# Altium PCB Sayma_AMC_RFSoC.PcbDoc (part 9 of 11)
Units mm, origin at the board's own origin, x right, y up, seen from the top; angles counter-clockwise.
Board outline 180.55 x 148.45 mm, 18 copper layers (Layer 1, Layer 2, Layer 3, Layer 4, Layer 5, Layer 6, Layer 7, Layer 8, Layer 9, Layer 10, Layer 11, Layer 12, Layer 13, Layer 14, Layer 15, Layer 16, Layer 17, Layer 18), stack 4.915 mm thick; 790 components, 796 nets, 6854 pads, 16 vias.
Unrouted connection lines stored in the file: 2880.
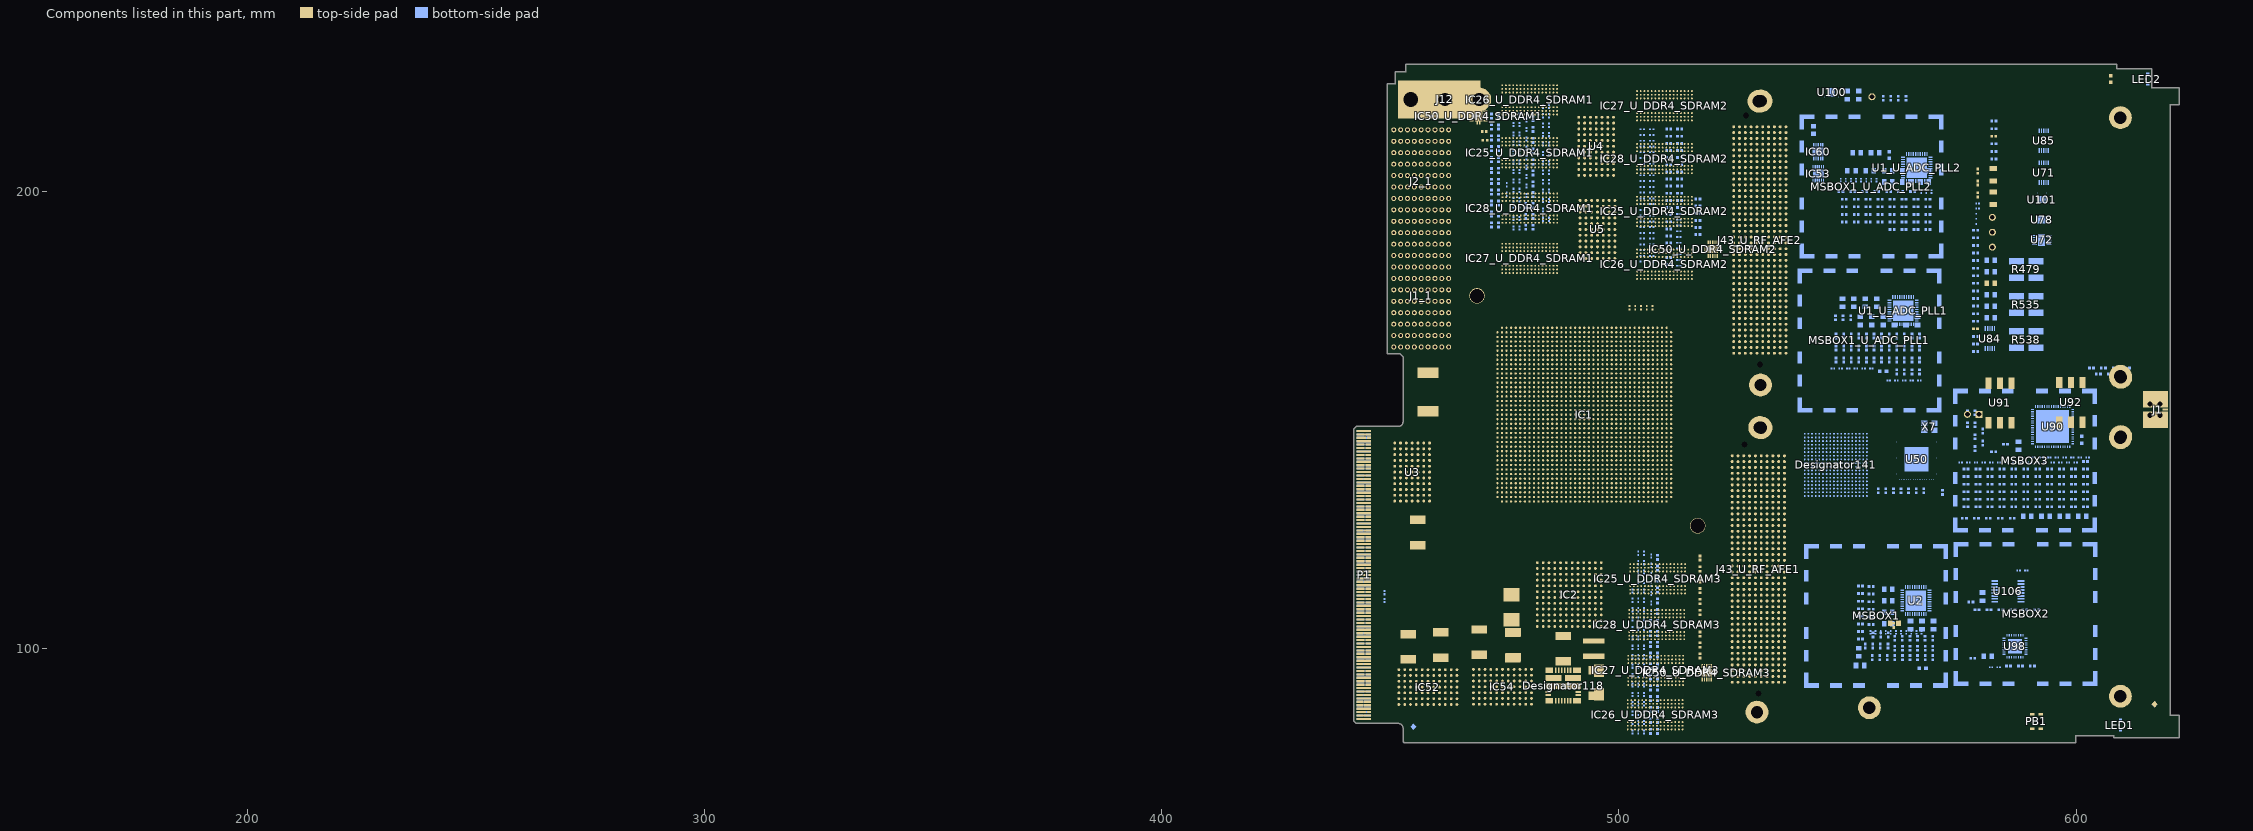
[diagram p20: the components of this part, seen from the top]

## Silkscreen, mask and mechanical layers (free items; w line width, h text height) (continued)
Drill Drawing: (continued)
  text "A" at 282.008,179.948 h2.03
  text "C" at 468.315,179.926 h0.2 r180
  text "A" at 285.273,179.906 h2.03
  text "C" at 329.008,179.875 h0.2
  text "C" at 507.457,179.887 h0.2
  text "A" at 286.785,179.81 h2.03
  text "H" at 293.437,179.806 h1
  text "H" at 295.977,179.806 h1
  text "A" at 274.226,179.749 h2.03
  text "C" at 506.172,179.694 h0.2
  text "D" at 247.272,179.662 h0.3
  text "D" at 313.729,179.568 h0.3
  text "C" at 267.97,179.36 h0.2
  text "D" at 308.494,179.299 h0.3
  text "C" at 281.93,179.271 h0.2
  text "A" at 289.208,179.27 h2.03
  text "D" at 302.167,179.278 h0.3
  text "D" at 303.428,179.267 h0.3
  text "D" at 309.744,179.278 h0.3
  text "A" at 277.144,179.242 h2.03
  text "D" at 311.066,179.238 h0.3
  text "D" at 312.307,179.257 h0.3
  text "A" at 274.226,179.216 h2.03
  text "C" at 580.253,179.22 h0.2 r90
  text "A" at 282.808,179.177 h2.03
  text "A" at 279.453,179.142 h2.03
  text "A" at 280.408,179.148 h2.03
  text "A" at 283.494,179.148 h2.03
  text "A" at 284.354,179.148 h2.03
  text "A" at 286.008,179.148 h2.03
  text "C" at 549.585,179.14 h0.2
  text "C" at 551.773,179.14 h0.2
  text "A" at 278.739,179.106 h2.03
  text "A" at 286.724,179.097 h2.03
  text "A" at 274.86,179.044 h2.03
  text "C" at 515.566,179.013 h0.2
  text "A" at 275.607,178.987 h2.03
  text "E" at 332.507,178.901 h0.6
  text "E" at 334.007,178.901 h0.6
  text "E" at 335.507,178.901 h0.6
  text "E" at 337.007,178.901 h0.6
  text "E" at 338.507,178.901 h0.6
  text "E" at 340.007,178.901 h0.6
  text "E" at 341.507,178.901 h0.6
  text "E" at 343.007,178.901 h0.6
  text "E" at 344.507,178.901 h0.6
  text "C" at 296.517,178.796 h0.2
  text "C" at 549.204,178.672 h0.2
  text "C" at 294.058,178.641 h0.2
  text "B" at 265.158,178.539 h2.03
  text "C" at 288.43,178.507 h0.2
  text "C" at 291.6,178.505 h0.2
  text "A" at 289.306,178.462 h2.03
  text "A" at 289.962,178.471 h2.03
  text "A" at 288.333,178.435 h2.03
  text "C" at 284.365,178.42 h0.2
  text "A" at 287.525,178.419 h2.03
  text "A" at 275.695,178.396 h2.03
  text "A" at 276.417,178.348 h2.03
  text "A" at 279.608,178.348 h2.03
  text "A" at 281.208,178.348 h2.03
  text "A" at 283.608,178.348 h2.03
  text "A" at 284.396,178.366 h2.03
  text "A" at 285.208,178.348 h2.03
  text "A" at 286.008,178.348 h2.03
  text "A" at 286.808,178.348 h2.03
  text "C" at 305.962,178.367 h0.2
  text "A" at 280.434,178.322 h2.03
  text "A" at 277.091,178.304 h2.03
  text "A" at 278.075,178.284 h2.03
  text "C" at 563.071,178.148 h0.2
  text "D" at 562.72,178.132 h0.3
  text "D" at 563.72,178.132 h0.3
  text "D" at 564.72,178.132 h0.3
  text "D" at 565.72,178.132 h0.3
  text "D" at 566.72,178.132 h0.3
  text "C" at 558.097,178.114 h0.2
  text "A" at 274.674,178.045 h2.03
  text "C" at 304.725,178.063 h0.2
  text "C" at 549.229,178.001 h0.2
  text "C" at 552.129,177.978 h0.2
  text "D" at 302.167,177.963 h0.3
  text "C" at 555.598,177.934 h0.2
  text "A" at 289.955,177.866 h2.03
  text "C" at 559.088,177.842 h0.2
  text "Slot 10.6x1.6" at 334.657,177.826 h1.27 r90
  text "B" at 234.314,177.777 h2.03
  text "C" at 286.023,177.734 h0.2
  text "C" at 283.651,177.706 h0.2
  text "C" at 562.991,177.662 h0.2
  text "F" at 582.931,177.669 h1 r90
  text "C" at 317.714,177.593 h0.2
  text "D" at 566.188,177.593 h0.3
  text "D" at 567.324,177.599 h0.3
  text "A" at 287.628,177.568 h2.03
  text "A" at 229.836,177.558 h2.03
  text "A" at 274.591,177.535 h2.03
  text "A" at 277.354,177.537 h2.03
  text "A" at 278.06,177.544 h2.03
  text "A" at 280.408,177.548 h2.03
  text "A" at 281.208,177.548 h2.03
  text "A" at 282.8,177.548 h2.03
  text "A" at 283.608,177.54 h2.03
  text "A" at 285.302,177.54 h2.03
  text "A" at 286.008,177.54 h2.03
  text "A" at 275.694,177.474 h2.03
  text "A" at 276.4,177.464 h2.03
  text "A" at 278.789,177.472 h2.03
  text "A" at 286.808,177.464 h2.03
  text "C" at 269.082,177.267 h0.2
  text "H" at 293.437,177.266 h1
  text "H" at 295.977,177.266 h1
  text "A" at 289.955,177.153 h2.03
  text "C" at 268.216,177.098 h0.2
  text "C" at 269.843,177.016 h0.2
  text "A" at 565.182,177.006 h2.03
  text "C" at 552.84,176.963 h0.2
  text "C" at 550.642,176.947 h0.2
  text "C" at 317.842,176.902 h0.2
  text "C" at 559.055,176.909 h0.2
  text "C" at 556.718,176.895 h0.2
  text "A" at 277.247,176.845 h2.03
  text "C" at 285.16,176.824 h0.2
  text "A" at 277.981,176.778 h2.03
  text "A" at 280.378,176.795 h2.03
  text "A" at 281.208,176.793 h2.03
  text "A" at 286.838,176.778 h2.03
  text "C" at 307.211,176.787 h0.2
  text "A" at 279.608,176.748 h2.03
  text "A" at 282.008,176.748 h2.03
  text "A" at 282.808,176.748 h2.03
  text "A" at 284.512,176.748 h2.03
  text "A" at 285.213,176.748 h2.03
  text "A" at 287.608,176.748 h2.03
  text "C" at 291.71,176.77 h0.2
  text "C" at 303.722,176.763 h0.2
  text "C" at 304.666,176.745 h0.2
  text "D" at 319.992,176.711 h0.3
  text "A" at 288.409,176.684 h2.03
  text "M" at 262.603,176.652 h2.55
  text "C" at 269.523,176.567 h0.2
  text "E" at 332.507,176.401 h0.6
  text "E" at 334.007,176.401 h0.6
  text "E" at 335.507,176.401 h0.6
  text "E" at 337.007,176.401 h0.6
  text "E" at 338.507,176.401 h0.6
  text "E" at 340.007,176.401 h0.6
  text "E" at 341.507,176.401 h0.6
  text "E" at 343.007,176.401 h0.6
  text "E" at 344.507,176.401 h0.6
  text "A" at 289.951,176.348 h2.03
  text "C" at 308.494,176.337 h0.2
  text "C" at 289.342,176.274 h0.2
  text "D" at 294.916,176.223 h0.3
  text "C" at 556.69,176.236 h0.2
  text "A" at 233.243,176.148 h2.03
  text "A" at 274.758,176.159 h2.03
  text "A" at 277.191,176.108 h2.03
  text "C" at 559.092,176.11 h0.2
  text "C" at 269.693,176.075 h0.2
  text "C" at 282.03,176.085 h0.2
  text "A" at 286.808,176.074 h2.03
  text "C" at 307.26,176.081 h0.2
  text "A" at 288.489,176.028 h2.03
  text "A" at 281.153,176.003 h2.03
  text "C" at 561.44,176 h0.2
  text "A" at 278.003,175.949 h2.03
  text "A" at 279.608,175.948 h2.03
  text "A" at 280.408,175.948 h2.03
  text "C" at 548.633,175.911 h0.2
  text "A" at 286.097,175.885 h2.03
  text "A" at 275.557,175.838 h2.03
  text "A" at 283.626,175.854 h2.03
  text "A" at 276.382,175.829 h2.03
  text "A" at 274.691,175.689 h2.03
  text "F" at 267.92,175.633 h1
  text "D" at 566.298,175.557 h0.3
  text "C" at 304.719,175.529 h0.2
  text "D" at 567.434,175.546 h0.3
  text "B" at 565.696,175.519 h2.03
  text "C" at 307.628,175.479 h0.2
  text "C" at 309.469,175.495 h0.2
  text "C" at 560.4,175.5 h0.2
  text "C" at 566.791,175.464 h0.2
  text "C" at 318.643,175.435 h0.2
  text "C" at 555.535,175.414 h0.2
  text "A" at 566.536,175.376 h2.03
  text "A" at 565.079,175.367 h2.03
  text "C" at 556.323,175.307 h0.2
  text "A" at 284.495,175.223 h2.03
  text "A" at 279.554,175.177 h2.03
  text "A" at 278,175.164 h2.03
  text "A" at 280.564,175.159 h2.03
  text "A" at 281.208,175.148 h2.03
  text "A" at 282.803,175.155 h2.03
  text "A" at 283.679,175.155 h2.03
  text "A" at 286.092,175.148 h2.03
  text "A" at 287.608,175.148 h2.03
  text "C" at 320.193,175.144 h0.2
  text "A" at 285.225,175.113 h2.03
  text "A" at 232.961,175.082 h2.03
  text "A" at 277.208,175.079 h2.03
  text "A" at 278.885,175.071 h2.03
  text "A" at 286.748,175.085 h2.03
  text "C" at 559.073,175.082 h0.2
  text "C" at 291.911,174.86 h0.2
  text "C" at 566.785,174.834 h0.2
  text "C" at 564.63,174.715 h0.2
  text "A" at 242.379,174.689 h2.03
  text "C" at 235.818,174.688 h0.2
  text "A" at 246.326,174.677 h2.03
  text "D" at 566.845,174.645 h0.3
  text "C" at 567.217,174.54 h0.2
  text "C" at 236.367,174.499 h0.2
  text "C" at 236.905,174.499 h0.2
  text "C" at 568.335,174.504 h0.2
  text "C" at 286.028,174.483 h0.2
  text "A" at 290.173,174.45 h2.03
  text "A" at 274.693,174.42 h2.03
  text "A" at 279.556,174.416 h2.03
  text "C" at 281.173,174.428 h0.2
  text "A" at 283.653,174.411 h2.03
  text "A" at 286.092,174.422 h2.03
  text "C" at 560.964,174.41 h0.2
  text "A" at 285.17,174.387 h2.03
  text "D" at 317.845,174.409 h0.3
  text "A" at 277.064,174.366 h2.03
  text "A" at 280.365,174.374 h2.03
  text "A" at 286.802,174.37 h2.03
  text "A" at 287.686,174.364 h2.03
  text "A" at 288.415,174.369 h2.03
  text "A" at 276.408,174.348 h2.03
  text "A" at 277.846,174.348 h2.03
  text "A" at 278.808,174.348 h2.03
  text "A" at 282.888,174.343 h2.03
  text "A" at 284.415,174.311 h2.03
  text "C" at 302.052,174.326 h0.2
  text "A" at 275.536,174.277 h2.03
  text "C" at 554.986,174.248 h0.2
  text "B" at 558.471,174.21 h2.03
  text "A" at 289.394,174.193 h2.03
  text "F" at 578.116,174.171 h1 r180
  text "F" at 269.509,174.152 h1
  text "B" at 557.106,174.127 h2.03
  text "C" at 560.531,174.027 h0.2
  text "C" at 562.003,173.991 h0.2
  text "C" at 564.528,173.992 h0.2
  text "C" at 566.581,173.985 h0.2
  text "C" at 236.905,173.96 h0.2
  text "C" at 562.732,173.966 h0.2
  text "C" at 563.403,173.966 h0.2
  text "C" at 565.245,173.965 h0.2
  text "C" at 567.522,173.972 h0.2
  text "E" at 332.507,173.901 h0.6
  text "E" at 334.007,173.901 h0.6
  text "E" at 335.507,173.901 h0.6
  text "E" at 337.007,173.901 h0.6
  text "E" at 338.507,173.901 h0.6
  text "E" at 340.007,173.901 h0.6
  text "E" at 341.507,173.901 h0.6
  text "E" at 343.007,173.901 h0.6
  text "E" at 344.507,173.901 h0.6
  text "C" at 237.444,173.889 h0.2
  text "C" at 320.137,173.868 h0.2
  text "C" at 547.592,173.816 h0.2
  text "C" at 266.894,173.798 h0.2
  text "A" at 274.756,173.761 h2.03
  text "C" at 563.082,173.739 h0.2
  text "D" at 566.298,173.702 h0.3
  text "D" at 567.453,173.71 h0.3
  text "A" at 288.408,173.697 h2.03
  text "A" at 287.658,173.659 h2.03
  text "C" at 285.165,173.62 h0.2
  text "C" at 549.571,173.609 h0.2
  text "C" at 272.48,173.596 h0.2
  text "A" at 275.631,173.578 h2.03
  text "A" at 277.208,173.583 h2.03
  text "A" at 278.808,173.548 h2.03
  text "A" at 282.023,173.556 h2.03
  text "A" at 284.348,173.535 h2.03
  text "A" at 276.414,173.502 h2.03
  text "A" at 279.555,173.51 h2.03
  text "A" at 286.909,173.493 h2.03
  text "A" at 285.196,173.463 h2.03
  text "Rnd 35.43 Non-Plated" at 327.037,173.447 h1.27 r90
  text "Rnd 2.032 Non-Plated" at 329.577,173.447 h1.27 r90
  text "C" at 567.16,173.424 h0.2
  text "C" at 237.704,173.399 h0.2
  text "C" at 556.738,173.371 h0.2
  text "A" at 290.261,173.31 h2.03
  text "C" at 557.512,173.267 h0.2
  text "B" at 566.422,173.263 h2.03
  text "C" at 305.759,172.946 h0.2
  text "D" at 307.171,172.924 h0.3
  text "D" at 330.212,172.914 h0.3
  text "A" at 278.008,172.91 h2.03
  text "A" at 289.208,172.867 h2.03
  text "B" at 558.106,172.853 h2.03
  text "A" at 287.48,172.782 h2.03
  text "A" at 277.208,172.748 h2.03
  text "A" at 278.808,172.748 h2.03
  text "A" at 279.604,172.756 h2.03
  text "A" at 284.408,172.748 h2.03
  text "A" at 286.166,172.745 h2.03
  text "A" at 288.408,172.748 h2.03
  text "C" at 249.215,172.72 h0.2
  text "A" at 282.004,172.716 h2.03
  text "A" at 283.574,172.715 h2.03
  text "G" at 243.772,172.7 h0.8
  text "A" at 281.212,172.704 h2.03
  text "A" at 282.848,172.705 h2.03
  text "B" at 290.939,172.501 h2.03
  text "D" at 315.855,172.488 h0.3
  text "F" at 337.88,172.463 h1
  text "F" at 339.286,172.463 h1
  text "C" at 559.893,172.455 h0.2
  text "F" at 343.717,172.452 h1
  text "F" at 336.296,172.419 h1
  text "F" at 342.12,172.419 h1
  text "F" at 340.714,172.397 h1
  text "D" at 556.673,172.381 h0.3
  text "A" at 241.485,172.189 h2.03
  text "C" at 547.575,172.035 h0.2
  text "C" at 561.15,172.033 h0.2
  text "A" at 278.737,172.019 h2.03
  text "C" at 287.646,172.02 h0.2
  text "A" at 281.215,171.981 h2.03
  text "A" at 288.359,171.982 h2.03
  text "B" at 295.472,171.978 h2.03
  text "C" at 552.925,171.979 h0.2
  text "C" at 561.941,171.989 h0.2
  text "A" at 276.408,171.948 h2.03
  text "A" at 278.027,171.968 h2.03
  text "A" at 286.826,171.948 h2.03
  text "A" at 289.208,171.948 h2.03
  text "A" at 282.038,171.942 h2.03
  text "A" at 286.17,171.944 h2.03
  text "C" at 550.661,171.935 h0.2
  text "A" at 274.808,171.918 h2.03
  text "A" at 280.447,171.909 h2.03
  text "A" at 282.89,171.903 h2.03
  text "A" at 284.454,171.902 h2.03
  text "A" at 279.565,171.894 h2.03
  text "C" at 560.988,171.842 h0.2
  text "C" at 565.691,171.82 h0.2
  text "A" at 275.608,171.8 h2.03
  text "C" at 567.011,171.737 h0.2
  text "C" at 567.544,171.737 h0.2
  text "C" at 302.153,171.688 h0.2
  text "C" at 309.784,171.672 h0.2
  text "C" at 312.925,171.672 h0.2
  text "C" at 304.669,171.647 h0.2
  text "D" at 268.47,171.639 h0.3
  text "B" at 559.068,171.541 h2.03
  text "B" at 563.48,171.537 h2.03
  text "A" at 245.94,171.423 h2.03
  text "C" at 567.462,171.412 h0.2
  text "E" at 332.507,171.401 h0.6
  text "E" at 334.007,171.401 h0.6
  text "E" at 335.507,171.401 h0.6
  text "E" at 337.007,171.401 h0.6
  text "E" at 338.507,171.401 h0.6
  text "E" at 340.007,171.401 h0.6
  text "E" at 341.507,171.401 h0.6
  text "E" at 343.007,171.401 h0.6
  text "E" at 344.507,171.401 h0.6
  text "C" at 560.611,171.393 h0.2
  text "D" at 331.244,171.27 h0.3
  text "C" at 555.615,171.25 h0.2
  text "C" at 556.275,171.255 h0.2
  text "A" at 276.408,171.203 h2.03
  text "A" at 285.972,171.184 h2.03
  text "A" at 277.208,171.166 h2.03
  text "A" at 278.008,171.148 h2.03
  text "A" at 279.608,171.148 h2.03
  text "A" at 281.973,171.14 h2.03
  text "A" at 284.408,171.148 h2.03
  text "A" at 285.266,171.157 h2.03
  text "A" at 286.856,171.156 h2.03
  text "A" at 289.208,171.148 h2.03
  text "C" at 564.706,171.147 h0.2
  text "A" at 278.708,171.087 h2.03
  text "A" at 281.214,171.089 h2.03
  text "A" at 282.78,171.09 h2.03
  text "A" at 288.359,171.098 h2.03
  text "D" at 555.107,171.056 h0.3
  text "C" at 318.89,170.969 h0.2
  text "B" at 560.379,170.951 h2.03
  text "C" at 564.715,170.951 h0.2
  text "C" at 565.268,170.951 h0.2
  text "C" at 566.506,170.934 h0.2
  text "C" at 567.039,170.929 h0.2
  text "A" at 273.965,170.902 h2.03
  text "D" at 330.453,170.794 h0.3
  text "A" at 565.214,170.784 h2.03
  text "A" at 274.723,170.752 h2.03
  text "B" at 563.013,170.726 h2.03
  text "C" at 291.833,170.694 h0.2
  text "D" at 246.035,170.671 h0.3
  text "B" at 291.332,170.624 h2.03
  text "U" at 263.2,170.58 h0.9
  text "C" at 565.067,170.553 h0.2
  text "D" at 268.235,170.533 h0.3
  text "C" at 318.398,170.547 h0.2
  text "C" at 562.576,170.525 h0.2
  text "C" at 563.109,170.525 h0.2
  text "C" at 278.019,170.474 h0.2
  text "D" at 267.426,170.465 h0.3
  text "C" at 559.938,170.448 h0.2
  text "C" at 263.9,170.427 h0.2
  text "A" at 278.008,170.399 h2.03
  text "A" at 281.924,170.386 h2.03
  text "A" at 284.412,170.371 h2.03
  text "A" at 281.208,170.348 h2.03
  text "A" at 282.808,170.348 h2.03
  text "A" at 285.208,170.348 h2.03
  text "A" at 286.808,170.348 h2.03
  text "A" at 283.624,170.325 h2.03
  text "A" at 290.028,170.332 h2.03
  text "D" at 554.761,170.333 h0.3
  text "B" at 559.518,170.32 h2.03
  text "C" at 563.859,170.327 h0.2
  text "A" at 275.591,170.3 h2.03
  text "A" at 286.008,170.3 h2.03
  text "A" at 288.408,170.31 h2.03
  text "C" at 320.037,170.311 h0.2
  text "A" at 276.379,170.294 h2.03
  text "A" at 277.303,170.282 h2.03
  text "A" at 274.292,170.255 h2.03
  text "A" at 287.608,170.245 h2.03
  text "A" at 278.816,170.203 h2.03
  text "C" at 291.461,170.127 h0.2
  text "C" at 247.956,170.104 h0.2
  text "D" at 567.515,169.863 h0.3
  text "C" at 234.332,169.782 h0.2
  text "A" at 241.332,169.756 h2.03
  text "C" at 294.051,169.749 h0.2
  text "D" at 566.292,169.714 h0.3
  text "C" at 317.517,169.67 h0.2
  text "A" at 279.57,169.643 h2.03
  text "A" at 288.356,169.654 h2.03
  text "A" at 278.808,169.633 h2.03
  text "A" at 286.092,169.625 h2.03
  text "A" at 273.982,169.594 h2.03
  text "A" at 275.692,169.597 h2.03
  text "A" at 276.464,169.605 h2.03
  text "A" at 281.145,169.593 h2.03
  text "A" at 285.172,169.596 h2.03
  text "A" at 289.585,169.595 h2.03
  text "A" at 277.241,169.582 h2.03
  text "A" at 280.429,169.566 h2.03
  text "C" at 288.404,169.581 h0.2
  text "B" at 549.648,169.559 h2.03
  text "A" at 286.808,169.548 h2.03
  text "A" at 287.608,169.548 h2.03
  text "D" at 296.031,169.512 h0.3
  text "B" at 325.274,169.493 h2.03
  text "B" at 249.105,169.331 h2.03
  text "B" at 249.6,169.317 h2.03
  text "D" at 245.424,169.257 h0.3
  text "C" at 265.024,169.226 h0.2
  text "C" at 306.038,169.195 h0.2
  text "C" at 311.086,169.192 h0.2
  text "C" at 303.431,169.123 h0.2
  text "A" at 244.161,169.089 h2.03
  text "A" at 245.944,169.073 h2.03
  text "A" at 274.616,168.978 h2.03
  text "C" at 277.181,168.923 h0.2
  text "A" at 289.378,168.918 h2.03
  text "E" at 332.507,168.901 h0.6
  text "E" at 334.007,168.901 h0.6
  text "E" at 335.507,168.901 h0.6
  text "E" at 337.007,168.901 h0.6
  text "E" at 338.507,168.901 h0.6
  text "E" at 340.007,168.901 h0.6
  text "E" at 341.507,168.901 h0.6
  text "E" at 343.007,168.901 h0.6
  text "E" at 344.507,168.901 h0.6
  text "B" at 560.338,168.906 h2.03
  text "D" at 331.315,168.875 h0.3
  text "A" at 275.535,168.825 h2.03
  text "A" at 276.455,168.822 h2.03
  text "C" at 566.643,168.829 h0.2
  text "A" at 277.303,168.812 h2.03
  text "C" at 281.965,168.82 h0.2
  text "A" at 282.033,168.796 h2.03
  text "A" at 287.54,168.816 h2.03
  text "D" at 320.19,168.814 h0.3
  text "C" at 555.492,168.798 h0.2
  text "C" at 565.369,168.805 h0.2
  text "A" at 286.691,168.792 h2.03
  text "C" at 553.867,168.774 h0.2
  text "C" at 564.686,168.783 h0.2
  text "C" at 566.439,168.775 h0.2
  text "A" at 232.949,168.751 h2.03
  text "C" at 246.851,168.76 h0.2
  text "A" at 278.008,168.748 h2.03
  text "A" at 278.808,168.748 h2.03
  text "A" at 279.608,168.748 h2.03
  text "A" at 281.208,168.748 h2.03
  text "A" at 282.808,168.748 h2.03
  text "A" at 283.608,168.748 h2.03
  text "A" at 285.368,168.749 h2.03
  text "C" at 556.975,168.763 h0.2
  text "C" at 560.531,168.753 h0.2
  text "C" at 566.99,168.766 h0.2
  text "A" at 280.382,168.701 h2.03
  text "A" at 286.054,168.679 h2.03
  text "D" at 328.278,168.675 h0.3
  text "A" at 284.416,168.665 h2.03
  text "C" at 568.049,168.668 h0.2
  text "C" at 567.106,168.56 h0.2
  text "C" at 568.261,168.561 h0.2
  text "D" at 330.543,168.524 h0.3
  text "C" at 567.541,168.466 h0.2
  text "C" at 272.903,168.45 h0.2
  text "C" at 274.568,168.463 h0.2
  text "C" at 292.603,168.362 h0.2
  text "C" at 559.489,168.284 h0.2
  text "C" at 556.931,168.232 h0.2
  text "B" at 562.132,168.17 h2.03
  text "C" at 250.175,168.108 h0.2
  text "C" at 264.983,168.101 h0.2
  text "C" at 278.772,168.085 h0.2
  text "C" at 562.213,168.103 h0.2
  text "A" at 283.652,168.051 h2.03
  text "C" at 325.908,168.042 h0.2
  text "C" at 317.994,167.977 h0.2
  text "A" at 278.152,167.948 h2.03
  text "A" at 278.808,167.948 h2.03
  text "A" at 279.524,167.948 h2.03
  text "A" at 280.408,167.948 h2.03
  text "A" at 281.208,167.948 h2.03
  text "A" at 282.808,167.948 h2.03
  text "A" at 284.345,167.948 h2.03
  text "A" at 289.205,167.946 h2.03
  text "A" at 275.64,167.916 h2.03
  text "A" at 285.137,167.883 h2.03
  text "A" at 286.906,167.888 h2.03
  text "C" at 306.106,167.893 h0.2
  text "A" at 287.634,167.855 h2.03
  text "C" at 240.81,167.826 h0.2
  text "C" at 566.637,167.821 h0.2
  text "A" at 276.411,167.801 h2.03
  text "B" at 560.187,167.804 h2.03
  text "C" at 567.11,167.798 h0.2
  text "C" at 568.058,167.687 h0.2
  text "C" at 292.456,167.548 h0.2
  text "C" at 559.366,167.503 h0.2
  text "F" at 342.21,167.481 h1
  text "F" at 344.017,167.481 h1
  text "C" at 561.518,167.471 h0.2
  text "F" at 340.715,167.392 h1
  text "C" at 317.67,167.351 h0.2
  text "C" at 280.323,167.259 h0.2
  text "C" at 288.356,167.265 h0.2
  text "A" at 275.688,167.229 h2.03
  text "A" at 277.179,167.223 h2.03
  text "A" at 285.976,167.209 h2.03
  text "A" at 285.32,167.189 h2.03
  text "D" at 316.799,167.177 h0.3
  text "A" at 279.524,167.148 h2.03
  text "A" at 280.408,167.148 h2.03
  text "A" at 281.292,167.148 h2.03
  text "A" at 282.008,167.148 h2.03
  text "A" at 282.808,167.148 h2.03
  text "A" at 284.408,167.148 h2.03
  text "A" at 288.408,167.148 h2.03
  text "A" at 276.537,167.133 h2.03
  text "A" at 283.524,167.113 h2.03
  text "A" at 278.063,167.093 h2.03
  text "A" at 286.737,167.083 h2.03
  text "A" at 289.269,167.087 h2.03
  text "C" at 555.119,167.054 h0.2
  text "C" at 559.381,166.958 h0.2
  text "C" at 561.526,166.904 h0.2
  text "A" at 273.851,166.779 h2.03
  text "G" at 237.772,166.7 h0.8
  text "G" at 243.772,166.7 h0.8
  text "D" at 562.958,166.708 h0.3
  text "D" at 295.539,166.578 h0.3
  text "C" at 246.704,166.503 h0.2
  text "A" at 275.671,166.411 h2.03
  text "A" at 286.071,166.411 h2.03
  text "A" at 284.491,166.407 h2.03
  text "C" at 292.679,166.39 h0.2
  text "E" at 332.507,166.401 h0.6
  text "E" at 334.007,166.401 h0.6
  text "E" at 335.507,166.401 h0.6
  text "E" at 337.007,166.401 h0.6
  text "E" at 338.507,166.401 h0.6
  text "E" at 340.007,166.401 h0.6
  text "E" at 341.507,166.401 h0.6
  text "E" at 343.007,166.401 h0.6
  text "E" at 344.507,166.401 h0.6
  text "A" at 281.307,166.36 h2.03
  text "A" at 274.808,166.348 h2.03
  text "A" at 276.408,166.348 h2.03
  text "A" at 278.008,166.348 h2.03
  text "A" at 278.808,166.348 h2.03
  text "A" at 279.656,166.348 h2.03
  text "A" at 282.008,166.348 h2.03
  text "A" at 282.808,166.348 h2.03
  text "A" at 286.808,166.348 h2.03
  text "A" at 287.608,166.348 h2.03
  text "C" at 546.478,166.217 h0.2
  text "A" at 274.404,166.189 h2.03
  text "C" at 286.588,166.179 h0.2
  text "C" at 278.077,166.047 h0.2
  text "A" at 241.391,165.923 h2.03
  text "C" at 292.679,165.857 h0.2
  text "C" at 561.518,165.762 h0.2
  text "C" at 559.382,165.745 h0.2
  text "A" at 286.87,165.654 h2.03
  text "A" at 285.144,165.646 h2.03
  text "A" at 287.738,165.586 h2.03
  text "A" at 278.836,165.548 h2.03
  text "A" at 280.308,165.548 h2.03
  text "A" at 282.808,165.548 h2.03
  text "A" at 288.408,165.548 h2.03
  text "A" at 282.131,165.534 h2.03
  text "A" at 279.244,165.493 h2.03
  text "A" at 276.578,165.464 h2.03
  text "B" at 555.477,165.223 h2.03
  text "B" at 556.272,165.196 h2.03
  text "C" at 558.733,165.115 h0.2
  text "C" at 559.373,165.1 h0.2
  text "C" at 561.51,165.087 h0.2
  text "C" at 246.767,165.059 h0.2
  text "D" at 249.41,165.037 h0.3
  text "C" at 550.179,164.972 h0.2
  text "A" at 283.848,164.91 h2.03
  text "A" at 239.553,164.905 h2.03
  text "A" at 236.056,164.871 h2.03
  text "C" at 561.802,164.88 h0.2
  text "C" at 564.094,164.823 h0.2
  text "D" at 552.057,164.762 h0.3
  text "D" at 553.103,164.768 h0.3
  text "D" at 554.158,164.762 h0.3
  text "D" at 560.645,164.778 h0.3
  text "D" at 564.925,164.707 h0.3
  text "D" at 565.925,164.707 h0.3
  text "D" at 566.925,164.707 h0.3
  text "D" at 567.925,164.707 h0.3
  text "A" at 277.371,164.661 h2.03
  text "A" at 284.602,164.652 h2.03
  text "D" at 567.545,164.615 h0.3
  text "C" at 328.522,164.587 h0.2
  text "D" at 566.245,164.543 h0.3
  text "D" at 562.43,164.508 h0.3
  text "C" at 552.911,164.461 h0.2
  text "A" at 281.222,164.352 h2.03
  text "A" at 275.403,164.349 h2.03
  text "A" at 283.629,164.267 h2.03
  text "C" at 264.979,164.146 h0.2
  text "A" at 285.037,164.142 h2.03
  text "B" at 556.808,164.127 h2.03
  text "C" at 303.181,164.081 h0.2
  text "C" at 328.34,164.086 h0.2
  text "C" at 245.479,164.063 h0.2
  text "C" at 316.266,163.997 h0.2
  text "A" at 241.367,163.925 h2.03
  text "D" at 317.389,163.932 h0.3
  text "D" at 321.208,163.922 h0.3
  text "E" at 332.507,163.901 h0.6
  text "E" at 334.007,163.901 h0.6
  text "E" at 335.507,163.901 h0.6
  text "E" at 337.007,163.901 h0.6
  text "E" at 338.507,163.901 h0.6
  text "E" at 340.007,163.901 h0.6
  text "E" at 341.507,163.901 h0.6
  text "E" at 343.007,163.901 h0.6
  text "E" at 344.507,163.901 h0.6
  text "C" at 286.511,163.875 h0.2
  text "C" at 246.698,163.848 h0.2
  text "D" at 562.403,163.772 h0.3
  text "D" at 552.08,163.729 h0.3
  text "D" at 553.111,163.739 h0.3
  text "D" at 554.135,163.737 h0.3
  text "D" at 564.925,163.707 h0.3
  text "D" at 565.925,163.707 h0.3
  text "D" at 566.925,163.707 h0.3
  text "D" at 567.925,163.707 h0.3
  text "A" at 277.643,163.687 h2.03
  text "C" at 290.23,163.592 h0.2
  text "B" at 279.694,163.534 h2.03
  text "D" at 265.136,163.463 h0.3
  text "C" at 550.355,163.454 h0.2
  text "C" at 561.071,163.454 h0.2
  text "A" at 293.993,163.417 h2.03
  text "D" at 268.711,163.382 h0.3
  text "C" at 557.58,163.343 h0.2
  text "C" at 280.563,163.247 h0.2
  text "B" at 561.965,163.177 h2.03
  text "D" at 250.112,163.132 h0.3
  text "D" at 563.16,163.147 h0.3
  text "A" at 293.691,163.115 h2.03
  text "C" at 560.133,163.11 h0.2
  text "D" at 565.038,163.126 h0.3
  text "C" at 290.364,163.076 h0.2
  text "C" at 281.325,163.045 h0.2
  text "B" at 558.969,162.995 h2.03
  text "C" at 264.983,162.9 h0.2
  text "C" at 288.634,162.825 h0.2
  text "C" at 550.38,162.804 h0.2
  text "C" at 283.536,162.795 h0.2
  text "C" at 286.481,162.789 h0.2
  text "C" at 557.379,162.796 h0.2
  text "C" at 249.53,162.774 h0.2
  text "D" at 344.578,162.769 h0.3
  text "B" at 555.179,162.755 h2.03
  text "C" at 565.451,162.768 h0.2
  text "B" at 560.434,162.733 h2.03
  text "D" at 552.049,162.707 h0.3
  text "D" at 553.111,162.713 h0.3
  text "D" at 564.925,162.707 h0.3
  text "D" at 565.925,162.707 h0.3
  text "D" at 566.925,162.707 h0.3
  text "D" at 567.925,162.707 h0.3
  text "D" at 554.15,162.692 h0.3
  text "B" at 550.692,162.638 h2.03
  text "D" at 564.109,162.635 h0.3
  text "C" at 276.732,162.609 h0.2
  text "C" at 566.055,162.561 h0.2
  text "C" at 560.161,162.52 h0.2
  text "C" at 280.572,162.486 h0.2
  text "C" at 300.457,162.477 h0.2
  text "C" at 277.807,162.469 h0.2
  text "B" at 331.941,162.433 h2.03
  text "C" at 564.848,162.421 h0.2
  text "C" at 564.324,162.42 h0.2
  text "D" at 269.837,162.333 h0.3
  text "C" at 555.102,162.25 h0.2
  text "F" at 310.44,162.2 h1
  text "F" at 312.054,162.203 h1
  text "F" at 313.193,162.203 h1
  text "B" at 300.457,162.184 h2.03
  text "C" at 556.139,162.118 h0.2
  text "D" at 549.565,162.11 h0.3
  text "B" at 234.479,162.057 h2.03
  text "D" at 565.038,162.04 h0.3
  text "C" at 562.435,162.014 h0.2
  text "C" at 556.07,161.996 h0.2
  text "D" at 563.181,162.009 h0.3
  text "C" at 278.187,161.963 h0.2
  text "C" at 560.169,161.956 h0.2
  text "C" at 250.11,161.936 h0.2
  text "C" at 246.774,161.911 h0.2
  text "C" at 279.178,161.833 h0.2
  text "C" at 284.153,161.83 h0.2
  text "C" at 561.442,161.808 h0.2
  text "A" at 245.22,161.768 h2.03
  text "A" at 239.361,161.749 h2.03
  text "D" at 273.359,161.737 h0.3
  text "B" at 557.472,161.709 h2.03
  text "D" at 564.925,161.707 h0.3
  text "D" at 565.925,161.707 h0.3
  text "D" at 566.925,161.707 h0.3
  text "D" at 567.925,161.707 h0.3
  text "D" at 270.784,161.656 h0.3
  text "B" at 558.379,161.648 h2.03
  text "A" at 241.6,161.608 h2.03
  text "C" at 283.163,161.613 h0.2
  text "D" at 566.328,161.582 h0.3
  text "C" at 250.476,161.569 h0.2
  text "C" at 547.826,161.549 h0.2
  text "A" at 236.567,161.492 h2.03
  text "E" at 332.507,161.401 h0.6
  text "E" at 334.007,161.401 h0.6
  text "E" at 335.507,161.401 h0.6
  text "E" at 337.007,161.401 h0.6
  text "E" at 338.507,161.401 h0.6
  text "E" at 340.007,161.401 h0.6
  text "E" at 341.507,161.401 h0.6
  text "E" at 343.007,161.401 h0.6
  text "E" at 344.507,161.401 h0.6
  text "C" at 560.164,161.383 h0.2
  text "C" at 279.088,161.304 h0.2
  text "C" at 292.587,161.32 h0.2
  text "C" at 293.159,161.287 h0.2
  text "C" at 284.153,161.258 h0.2
  text "C" at 285.873,161.233 h0.2
  text "C" at 286.634,161.233 h0.2
  text "D" at 268.909,161.196 h0.3
  text "B" at 582.928,161.188 h2.03 r180
  text "C" at 282.525,161.174 h0.2
  text "C" at 288.934,161.16 h0.2
  text "D" at 314.603,161.126 h0.3
  text "D" at 318.512,161.146 h0.3
  text "C" at 559.2,160.997 h0.2
  text "C" at 264.979,160.971 h0.2
  text "C" at 278.218,160.972 h0.2
  text "C" at 292.207,160.918 h0.2
  text "D" at 311.883,160.907 h0.3
  text "D" at 311.041,160.892 h0.3
  text "C" at 286.254,160.852 h0.2
  text "B" at 563.748,160.831 h2.03
  text "B" at 566.938,160.831 h2.03
  text "C" at 289.311,160.783 h0.2
  text "C" at 554.488,160.736 h0.2
  text "C" at 279.141,160.704 h0.2
  text "D" at 345.515,160.701 h0.3
  text "C" at 249.035,160.641 h0.2
  text "B" at 586.922,160.619 h2.03 r180
  text "D" at 562.505,160.546 h0.3
  text "C" at 292.49,160.481 h0.2
  text "B" at 555.991,160.473 h2.03
  text "C" at 562.48,160.396 h0.2
  text "D" at 273.333,160.379 h0.3
  text "D" at 269.781,160.338 h0.3
  text "G" at 243.756,160.216 h0.8
  text "G" at 237.772,160.2 h0.8
  text "D" at 342.123,160.12 h0.3
  text "C" at 547.251,160.112 h0.2
  text "B" at 550.657,160.11 h2.03
  text "D" at 343.268,160.106 h0.3
  text "A" at 564.36,160.108 h2.03
  text "B" at 552.83,160.082 h2.03
  text "B" at 552.003,160.031 h2.03
  text "C" at 250.476,160.006 h0.2
  text "C" at 555.105,159.921 h0.2
  text "C" at 249.688,159.894 h0.2
  text "C" at 283.61,159.893 h0.2
  text "A" at 241.514,159.831 h2.03
  text "D" at 268.905,159.813 h0.3
  text "D" at 345.485,159.689 h0.3
  text "D" at 567.473,159.624 h0.3
  text "B" at 560.374,159.586 h2.03
  text "B" at 547.862,159.489 h2.03
  text "C" at 249.035,159.422 h0.2
  text "C" at 293.521,159.408 h0.2
  text "C" at 549.436,159.378 h0.2
  text "C" at 250.085,159.371 h0.2
  text "C" at 281.968,159.362 h0.2
  text "C" at 309.294,159.299 h0.2
  text "C" at 292.114,159.025 h0.2
  text "B" at 551.573,158.975 h2.03
  text "C" at 557.591,158.981 h0.2
  text "C" at 559.934,158.988 h0.2
  text "C" at 249.241,158.921 h0.2
  text "C" at 553.831,158.94 h0.2
  text "E" at 332.507,158.901 h0.6
  text "E" at 334.007,158.901 h0.6
  text "E" at 335.507,158.901 h0.6
  text "E" at 337.007,158.901 h0.6
  text "E" at 338.507,158.901 h0.6
  text "E" at 340.007,158.901 h0.6
  text "E" at 341.507,158.901 h0.6
  text "E" at 343.007,158.901 h0.6
  text "E" at 344.507,158.901 h0.6
  text "B" at 550.141,158.897 h2.03
  text "C" at 293.514,158.875 h0.2
  text "C" at 546.551,158.882 h0.2
  text "C" at 551.564,158.867 h0.2
  text "C" at 546.263,158.847 h0.2
  text "C" at 246.736,158.707 h0.2
  text "D" at 269.005,158.665 h0.3
  text "B" at 557.302,158.643 h2.03
  text "C" at 283.058,158.562 h0.2
  text "C" at 284.531,158.561 h0.2
  text "C" at 324.32,158.577 h0.2
  text "B" at 547.765,158.576 h2.03
  text "B" at 548.752,158.58 h2.03
  text "C" at 548.302,158.536 h0.2
  text "B" at 555.723,158.526 h2.03
  text "C" at 292.161,158.494 h0.2
  text "C" at 249.847,158.45 h0.2
  text "D" at 266.229,158.379 h0.3
  text "B" at 326.78,158.342 h2.03
  text "B" at 555.148,158.336 h2.03
  text "D" at 342.287,158.261 h0.3
  text "D" at 345.188,158.216 h0.3
  text "D" at 343.417,158.201 h0.3
  text "D" at 245.218,158.148 h0.3
  text "B" at 558.908,158.091 h2.03
  text "C" at 284.389,158.066 h0.2
  text "C" at 322.016,158.072 h0.2
  text "C" at 249.035,158.05 h0.2
  text "B" at 328.671,158.029 h2.03
  text "C" at 250.474,158.015 h0.2
  text "B" at 556.762,158.019 h2.03
  text "B" at 550.183,157.952 h2.03
  text "B" at 560.374,157.956 h2.03
  text "D" at 269.781,157.944 h0.3
  text "B" at 563.808,157.931 h2.03
  text "D" at 268.869,157.914 h0.3
  text "B" at 562.508,157.866 h2.03
  text "D" at 274.156,157.847 h0.3
  text "C" at 548.287,157.836 h0.2
  text "C" at 265.045,157.796 h0.2
  text "C" at 283.427,157.716 h0.2
  text "D" at 305.656,157.703 h0.3
  text "D" at 304.078,157.643 h0.3
  text "C" at 546.306,157.64 h0.2
  text "D" at 304.919,157.613 h0.3
  text "A" at 239.4,157.558 h2.03
  text "A" at 236.569,157.466 h2.03
  text "C" at 246.683,157.466 h0.2
  text "A" at 237.985,157.41 h2.03
  text "C" at 557.553,157.407 h0.2
  text "C" at 547.051,157.384 h0.2
  text "C" at 556.784,157.355 h0.2
  text "B" at 553.818,157.326 h2.03
  text "B" at 550.112,157.252 h2.03
  text "B" at 240.828,157.234 h2.03
  text "D" at 268.918,157.214 h0.3
  text "C" at 560.726,157.164 h0.2
  text "D" at 303.356,157.072 h0.3
  text "D" at 310.699,156.884 h0.3
  text "D" at 301.417,156.877 h0.3
  text "B" at 557.305,156.867 h2.03
  text "D" at 302.364,156.846 h0.3
  text "C" at 321.895,156.843 h0.2
  text "B" at 563.416,156.818 h2.03
  text "B" at 565.909,156.824 h2.03
  text "D" at 242.006,156.787 h0.3
  text "B" at 563.604,156.745 h2.03
  text "B" at 566.735,156.719 h2.03
  text "A" at 241.942,156.608 h2.03
  text "A" at 244.096,156.581 h2.03
  text "C" at 561.815,156.562 h0.2
  text "D" at 270.736,156.522 h0.3
  text "B" at 562.197,156.464 h2.03
  text "D" at 302.965,156.441 h0.3
  text "U" at 263.2,156.38 h0.9
  text "C" at 547.259,156.309 h0.2
  text "C" at 548.31,156.305 h0.2
  text "B" at 562.418,156.312 h2.03
  text "C" at 553.245,156.258 h0.2
  text "D" at 301.778,156.245 h0.3
  text "C" at 553.751,156.224 h0.2
  text "B" at 562.686,156.226 h2.03
  text "D" at 313.48,156.192 h0.3
  text "C" at 551.108,156.173 h0.2
  text "C" at 551.768,156.173 h0.2
  text "C" at 549.062,156.148 h0.2
  text "C" at 289.568,156.12 h0.2
  text "B" at 563.963,156.085 h2.03
  text "B" at 274.183,156.032 h2.03
  text "D" at 292.922,155.949 h0.3
  text "C" at 548.398,155.901 h0.2
  text "C" at 563.247,155.834 h0.2
  text "B" at 307.991,155.806 h2.03
  text "A" at 245.41,155.664 h2.03
  text "C" at 549.491,155.625 h0.2
  text "C" at 554.898,155.616 h0.2
  text "D" at 309.429,155.579 h0.3
  text "D" at 310.167,155.571 h0.3
  text "D" at 312.653,155.38 h0.3
  text "D" at 319.516,155.335 h0.3
  text "D" at 568.208,155.26 h0.3
  text "D" at 318.704,155.245 h0.3
  text "D" at 247.354,155.141 h0.3
  text "D" at 249.606,155.142 h0.3
  text "C" at 548.447,154.88 h0.2
  text "D" at 310.131,154.725 h0.3
  text "D" at 312.022,154.749 h0.3
  text "A" at 564.362,154.747 h2.03
  text "D" at 309.422,154.714 h0.3
  text "B" at 563.437,154.513 h2.03
  text "D" at 318.629,154.433 h0.3
  text "C" at 565.658,154.325 h0.2
  text "D" at 566.196,154.329 h0.3
  text "G" at 243.756,154.216 h0.8
  text "D" at 311.609,154.154 h0.3
  text "C" at 548.447,154.142 h0.2
  text "D" at 313.57,153.967 h0.3
  text "B" at 556.884,153.968 h2.03
  text "D" at 272.128,153.945 h0.3
  text "B" at 558.676,153.942 h2.03
  text "C" at 564.47,153.93 h0.2
  text "C" at 565.27,153.93 h0.2
  text "D" at 319.245,153.862 h0.3
  text "A" at 241.402,153.703 h2.03
  text "B" at 264.686,153.583 h2.03
  text "D" at 316.712,153.456 h0.3
  text "C" at 548.531,153.417 h0.2
  text "M" at 305.6,153.355 h2.55
  text "B" at 545.169,153.326 h2.03
  text "D" at 272.115,153.25 h0.3
  text "B" at 548.327,153.244 h2.03
  text "D" at 311.081,153.213 h0.3
  text "C" at 529.167,153.224 h0.2
  text "B" at 548.898,153.218 h2.03
  text "D" at 318.749,153.186 h0.3
  text "M" at 268.6,153.155 h2.55
  text "D" at 556.519,153.166 h0.3
  text "D" at 558.119,153.166 h0.3
  text "D" at 559.719,153.166 h0.3
  text "D" at 561.319,153.166 h0.3
  text "D" at 550.5,153.062 h0.3
  text "D" at 552.5,153.062 h0.3
  text "D" at 554.5,153.062 h0.3
  text "D" at 556.5,153.062 h0.3
  text "C" at 283.864,152.86 h0.2
  text "D" at 272.115,152.648 h0.3
  text "B" at 265.871,152.575 h2.03
  text "D" at 316.742,152.569 h0.3
  text "D" at 311.901,152.344 h0.3
  text "D" at 308.274,152.149 h0.3
  text "D" at 318.839,152.103 h0.3
  text "C" at 240.684,151.933 h0.2
  text "D" at 272.235,151.951 h0.3
  text "C" at 246.53,151.923 h0.2
  text "C" at 252.651,151.887 h0.2
  text "C" at 239.391,151.779 h0.2
  text "C" at 251.358,151.733 h0.2
  text "C" at 311.115,151.71 h0.2
  text "D" at 307.623,151.564 h0.3
  text "A" at 258.428,151.472 h2.03
  text "C" at 246.697,151.442 h0.2
  text "A" at 254.58,151.447 h2.03
  text "C" at 295.844,151.347 h0.2
  text "C" at 310.704,151.229 h0.2
  text "C" at 296.45,151.174 h0.2
  text "F" at 317.415,150.933 h1
  text "D" at 318.869,150.916 h0.3
  text "C" at 295.617,150.882 h0.2
  text "C" at 247.005,150.826 h0.2
  text "C" at 247.513,150.788 h0.2
  text "D" at 292.206,150.709 h0.3
  text "C" at 271.745,150.682 h0.2
  text "C" at 296.18,150.676 h0.2
  text "C" at 279.783,150.585 h0.2
  text "C" at 284.659,150.536 h0.2
  text "C" at 311.806,150.317 h0.2
  text "C" at 295.92,150.211 h0.2
  text "C" at 309.742,150.147 h0.2
  text "C" at 302.289,150.068 h0.2
  text "D" at 313.322,149.966 h0.3
  text "D" at 318.839,149.938 h0.3
  text "D" at 319.967,149.938 h0.3
  text "C" at 292.31,149.892 h0.2
  text "D" at 314.294,149.895 h0.3
  text "F" at 317.079,149.781 h1
  text "M" at 262.603,149.653 h2.55
  text "D" at 309.21,149.657 h0.3
  text "C" at 247.072,149.644 h0.2
  text "C" at 291.806,149.642 h0.2
  text "B" at 300.656,149.631 h2.03
  text "D" at 311.445,149.577 h0.3
  text "B" at 230.415,149.52 h2.03
  text "B" at 233.782,149.52 h2.03
  text "C" at 290.389,149.435 h0.2
  text "C" at 270.758,149.267 h0.2
  text "C" at 281.11,149.171 h0.2
  text "C" at 296.683,149.168 h0.2
  text "B" at 226.469,149.155 h2.03
  text "D" at 313.081,149.154 h0.3
  text "C" at 283.736,149.112 h0.2
  text "C" at 284.546,149.117 h0.2
  text "D" at 310.744,149.089 h0.3
  text "U" at 306.702,149.084 h0.9
  text "C" at 265.999,149.036 h0.2
  text "C" at 289.833,148.914 h0.2
  text "C" at 289.107,148.841 h0.2
  text "C" at 227.056,148.798 h0.2
  text "C" at 298.738,148.781 h0.2
  text "C" at 280.465,148.739 h0.2
  text "C" at 227.98,148.728 h0.2
  text "C" at 249.49,148.644 h0.2
  text "C" at 246.844,148.612 h0.2
  text "F" at 317.506,148.616 h1
  text "F" at 286.339,148.56 h1
  text "B" at 313.636,148.549 h2.03
  text "C" at 242.763,148.478 h0.2
  text "D" at 292.589,148.486 h0.3
  text "C" at 288.695,148.463 h0.2
  text "B" at 234.487,148.258 h2.03
  text "C" at 281.801,148.206 h0.2
  text "C" at 284.24,148.152 h0.2
  text "C" at 227.424,148.127 h0.2
  text "C" at 228.095,148.141 h0.2
  text "B" at 233.022,148.061 h2.03
  text "C" at 233.728,148.042 h0.2
  text "D" at 290.076,147.916 h0.3
  text "D" at 291.184,147.906 h0.3
  text "D" at 312.653,147.813 h0.3
  text "B" at 236.407,147.786 h2.03
  text "B" at 234.995,147.735 h2.03
  text "C" at 226.698,147.586 h0.2
  text "B" at 240.644,147.564 h2.03
  text "A" at 244.615,147.552 h2.03
  text "D" at 300.361,147.346 h0.3
  text "C" at 226.698,147.053 h0.2
  text "D" at 305.036,147.046 h0.3
  text "D" at 308.713,147.046 h0.3
  text "D" at 290.589,146.977 h0.3
  text "C" at 228.746,146.915 h0.2
  text "C" at 258.628,146.811 h0.2
  text "C" at 259.919,146.823 h0.2
  text "D" at 224.5,146.78 h0.3
  text "C" at 238.378,146.528 h0.2
  text "C" at 268.194,146.437 h0.2
  text "C" at 318.497,146.424 h0.2
  text "C" at 269.706,146.305 h0.2
  text "C" at 298.738,146.312 h0.2
  text "C" at 280.214,146.251 h0.2
  text "C" at 278.749,146.172 h0.2
  text "C" at 230.209,146.164 h0.2
  text "C" at 554.273,146.156 h0.2
  text "D" at 290.076,146.049 h0.3
  text "D" at 291.215,146.049 h0.3
  text "D" at 313.01,146.041 h0.3
  text "B" at 259.185,145.877 h2.03
  text "B" at 230.408,145.815 h2.03
  text "A" at 242.877,145.808 h2.03
  text "C" at 553.658,145.795 h0.2
  text "D" at 224.5,145.78 h0.3
  text "B" at 237.63,145.751 h2.03
  text "C" at 274.902,145.729 h0.2
  text "A" at 244.592,145.699 h2.03
  text "C" at 305.787,145.658 h0.2
  text "C" at 293.608,145.637 h0.2
  text "D" at 287.107,145.473 h0.3
  text "B" at 564.359,145.436 h2.03
  text "C" at 230.207,145.403 h0.2
  text "C" at 290.153,145.294 h0.2
  text "B" at 293.603,145.239 h2.03
  text "D" at 315.766,145.228 h0.3
  text "D" at 288.416,145.158 h0.3
  text "C" at 557.288,145.155 h0.2
  text "D" at 308.74,145.141 h0.3
  text "C" at 555.381,145.1 h0.2
  text "C" at 556.755,145.106 h0.2
  text "C" at 558.268,145.052 h0.2
  text "C" at 558.801,145.051 h0.2
  text "C" at 286.663,145.045 h0.2
  text "C" at 294.13,144.926 h0.2
  text "C" at 270.395,144.893 h0.2
  text "C" at 295.719,144.876 h0.2
  text "C" at 227.141,144.856 h0.2
  text "C" at 227.785,144.86 h0.2
  text "D" at 309.427,144.858 h0.3
  text "C" at 278.815,144.843 h0.2
  text "D" at 224.5,144.78 h0.3
  text "C" at 288.01,144.717 h0.2
  text "F" at 299.187,144.738 h1
  text "F" at 317.995,144.625 h1
  text "F" at 319.478,144.575 h1
  text "C" at 267.726,144.538 h0.2
  text "C" at 321.195,144.534 h0.2
  text "D" at 313.109,144.453 h0.3
  text "A" at 245.774,144.377 h2.03
  text "C" at 294.116,144.379 h0.2
  text "C" at 306.213,144.361 h0.2
  text "C" at 295.719,144.27 h0.2
  text "C" at 227.392,144.251 h0.2
  text "B" at 234.363,144.137 h2.03
  text "D" at 300.614,144.066 h0.3
  text "D" at 308.795,144.042 h0.3
  text "B" at 237.642,144.024 h2.03
  text "C" at 288.086,144.017 h0.2
  text "C" at 226.78,143.944 h0.2
  text "D" at 224.5,143.78 h0.3
  text "C" at 265.966,143.8 h0.2
  text "C" at 276.651,143.74 h0.2
  text "M" at 262.6,143.655 h2.55
  text "B" at 229.382,143.635 h2.03
  text "C" at 290.5,143.453 h0.2
  text "C" at 561.571,143.461 h0.2
  text "C" at 556.013,143.374 h0.2
  text "C" at 291.46,143.356 h0.2
  text "C" at 557.724,143.362 h0.2
  text "C" at 559.533,143.349 h0.2
  text "B" at 567.954,143.347 h2.03
  text "C" at 297.499,143.273 h0.2
  text "C" at 306.291,143.286 h0.2
  text "C" at 555.298,143.247 h0.2
  text "D" at 308.71,143.138 h0.3
  text "C" at 302.687,143.108 h0.2
  text "C" at 258.375,143.02 h0.2
  text "C" at 255.201,143.007 h0.2
  text "D" at 284.593,143.007 h0.3
  text "D" at 282.344,142.975 h0.3
  text "D" at 283.482,142.974 h0.3
  text "C" at 278.004,142.702 h0.2
  text "D" at 301.282,142.633 h0.3
  text "C" at 564.749,142.589 h0.2
  text "C" at 275.996,142.54 h0.2
  text "B" at 233.815,142.461 h2.03
  text "B" at 253.75,142.378 h2.03
  text "C" at 290.778,142.362 h0.2
  text "D" at 305.76,142.268 h0.3
  text "A" at 245.799,142.228 h2.03
  text "D" at 295.499,142.189 h0.3
  text "C" at 305.125,142.187 h0.2
  text "C" at 291.685,142.14 h0.2
  text "A" at 569.862,142.092 h2.03
  text "D" at 308.62,141.97 h0.3
  text "D" at 282.333,141.895 h0.3
  text "D" at 284.587,141.868 h0.3
  text "D" at 283.506,141.834 h0.3
  text "C" at 562.39,141.786 h0.2
  text "C" at 557.328,141.655 h0.2
  text "C" at 558.977,141.649 h0.2
  text "C" at 555.782,141.608 h0.2
  text "C" at 297.82,141.444 h0.2
  text "C" at 304.908,141.377 h0.2
  text "F" at 319.408,141.318 h1
  text "D" at 300.613,141.303 h0.3
  text "C" at 275.95,141.281 h0.2
  text "C" at 277.872,141.042 h0.2
  text "D" at 311.09,140.902 h0.3
  text "D" at 320.54,140.899 h0.3
  text "C" at 304.924,140.745 h0.2
  text "D" at 310.225,140.736 h0.3
  text "C" at 305.457,140.723 h0.2
  text "C" at 252.49,140.701 h0.2
  text "D" at 303.882,140.696 h0.3
  text "C" at 261.626,140.673 h0.2
  text "C" at 305.957,140.633 h0.2
  text "C" at 276.009,140.52 h0.2
  text "C" at 254,140.458 h0.2
  text "B" at 293.504,140.358 h2.03
  text "B" at 245.084,140.341 h2.03
  text "C" at 252.867,140.325 h0.2
  text "C" at 298.819,140.174 h0.2
  text "D" at 320.517,140.19 h0.3
  text "C" at 246.955,140.109 h0.2
  text "C" at 306.213,140.11 h0.2
  text "C" at 308.499,140.115 h0.2
  text "C" at 302.54,140.088 h0.2
  text "B" at 561.596,140.092 h2.03
  text "G" at 256.117,140.03 h0.8
  text "B" at 564.736,140.028 h2.03
  text "C" at 558.977,139.914 h0.2
  text "C" at 258.13,139.87 h0.2
  text "C" at 557.328,139.838 h0.2
  text "C" at 555.782,139.807 h0.2
  text "F" at 317.518,139.566 h1
  text "F" at 318.69,139.566 h1
  text "C" at 267.38,139.498 h0.2
  text "F" at 312.279,139.496 h1
  text "D" at 320.527,139.384 h0.3
  text "B" at 249.489,139.242 h2.03
  text "B" at 287.274,139.235 h2.03
  text "C" at 306.197,139.12 h0.2
  text "C" at 295.096,138.892 h0.2
  text "D" at 293.617,138.856 h0.3
  text "C" at 308.514,138.84 h0.2
  text "C" at 312.437,138.765 h0.2
  text "D" at 320.537,138.676 h0.3
  text "F" at 313.873,138.597 h1
  text "F" at 269.332,138.587 h1
  text "C" at 253.801,138.569 h0.2
  text "E" at 294.115,138.557 h0.6
  text "E" at 295.615,138.557 h0.6
  text "E" at 297.115,138.557 h0.6
  text "E" at 298.615,138.557 h0.6
  text "E" at 300.115,138.557 h0.6
  text "E" at 301.615,138.557 h0.6
  text "E" at 303.115,138.557 h0.6
  text "E" at 304.615,138.557 h0.6
  text "C" at 272.543,138.488 h0.2
  text "C" at 565.16,138.405 h0.2
  text "C" at 302.424,138.328 h0.2
  text "C" at 308.507,138.307 h0.2
  text "C" at 553.694,138.237 h0.2
  text "D" at 320.702,137.987 h0.3
  text "A" at 245.841,137.965 h2.03
  text "C" at 306.257,137.901 h0.2
  text "D" at 300.93,137.771 h0.3
  text "C" at 302.633,137.553 h0.2
  text "B" at 293.286,137.4 h2.03
  text "C" at 257.357,137.322 h0.2
  text "C" at 253.271,137.294 h0.2
  text "A" at 569.816,137.276 h2.03
  text "C" at 566.299,137.266 h0.2
  text "B" at 562.993,137.006 h2.03
  text "C" at 258.51,136.818 h0.2
  text "C" at 257.31,136.754 h0.2
  text "C" at 248.305,136.678 h0.2
  text "U" at 263.2,136.58 h0.9
  text "C" at 559.77,136.563 h0.2
  text "C" at 260.3,136.373 h0.2
  text "E" at 294.115,136.057 h0.6
  text "E" at 295.615,136.057 h0.6
  text "E" at 297.115,136.057 h0.6
  text "E" at 298.615,136.057 h0.6
  text "E" at 300.115,136.057 h0.6
  text "E" at 301.615,136.057 h0.6
  text "E" at 303.115,136.057 h0.6
  text "E" at 304.615,136.057 h0.6
  text "B" at 300.896,135.954 h2.03
  text "C" at 265.033,135.861 h0.2
  text "B" at 253.216,135.764 h2.03
  text "B" at 562.451,135.725 h2.03
  text "C" at 259.127,135.226 h0.2
  text "C" at 265.023,135.226 h0.2
  text "A" at 245.633,135.159 h2.03
  text "C" at 554.769,134.948 h0.2
  text "C" at 259.111,134.596 h0.2
  text "D" at 261.974,134.542 h0.3
  text "D" at 262.696,134.542 h0.3
  text "D" at 553.906,134.108 h0.3
  text "G" at 250.117,134.03 h0.8
  text "C" at 254,134.024 h0.2
  text "G" at 256.117,134.03 h0.8
  text "C" at 265.153,133.956 h0.2
  text "D" at 261.577,133.907 h0.3
  text "C" at 201.02,133.728 h0.2
  text "E" at 294.115,133.557 h0.6
  text "E" at 295.615,133.557 h0.6
  text "E" at 297.115,133.557 h0.6
  text "E" at 298.615,133.557 h0.6
  text "E" at 300.115,133.557 h0.6
  text "E" at 301.615,133.557 h0.6
  text "E" at 303.115,133.557 h0.6
  text "E" at 304.615,133.557 h0.6
  text "C" at 259.111,133.321 h0.2
  text "C" at 293.921,133.097 h0.2
  text "D" at 553.89,133.061 h0.3
  text "D" at 261.677,132.95 h0.3
  text "C" at 257.615,132.872 h0.2
  text "C" at 254.686,132.639 h0.2
  text "D" at 262.716,132.637 h0.3
  text "D" at 564.79,132.58 h0.3
  text "D" at 562.928,132.566 h0.3
  text "D" at 259.118,132.513 h0.3
  text "C" at 568.299,132.075 h0.2
  text "D" at 563.851,132.067 h0.3
  text "C" at 567.309,132.009 h0.2
  text "C" at 253.103,131.913 h0.2
  text "D" at 562.922,131.441 h0.3
  text "D" at 564.847,131.429 h0.3
  text "D" at 261.685,131.367 h0.3
  text "D" at 258.526,131.22 h0.3
  text "C" at 568.388,131.225 h0.2
  text "E" at 294.115,131.057 h0.6
  text "E" at 295.615,131.057 h0.6
  text "E" at 297.115,131.057 h0.6
  text "E" at 298.615,131.057 h0.6
  text "E" at 300.115,131.057 h0.6
  text "E" at 301.615,131.057 h0.6
  text "E" at 303.115,131.057 h0.6
  text "E" at 304.615,131.057 h0.6
  text "C" at 265.103,130.781 h0.2
  text "C" at 261.9,130.345 h0.2
  text "C" at 255.357,130.28 h0.2
  text "C" at 251.196,130.141 h0.2
  text "C" at 259.137,130.146 h0.2
  text "D" at 293.347,130.039 h0.3
  text "C" at 261.537,129.956 h0.2
  text "C" at 197.872,129.818 h0.2
  text "C" at 197.415,129.459 h0.2
  text "D" at 262.604,129.462 h0.3
  text "B" at 201.047,129.364 h2.03
  text "B" at 248.402,128.762 h2.03
  text "B" at 254.356,128.658 h2.03
  text "E" at 294.115,128.557 h0.6
  text "E" at 295.615,128.557 h0.6
  text "E" at 297.115,128.557 h0.6
  text "E" at 298.615,128.557 h0.6
  text "E" at 300.115,128.557 h0.6
  text "E" at 301.615,128.557 h0.6
  text "E" at 303.115,128.557 h0.6
  text "E" at 304.615,128.557 h0.6
  text "C" at 265.538,128.321 h0.2
  text "D" at 293.372,128.217 h0.3
  text "C" at 262.409,128.195 h0.2
  text "C" at 261.958,127.929 h0.2
  text "C" at 253.972,127.898 h0.2
  text "C" at 262.806,127.875 h0.2
  text "G" at 250.117,127.53 h0.8
  text "G" at 256.117,127.53 h0.8